# KiCad board GPS-Compass.kicad_pcb (continued)
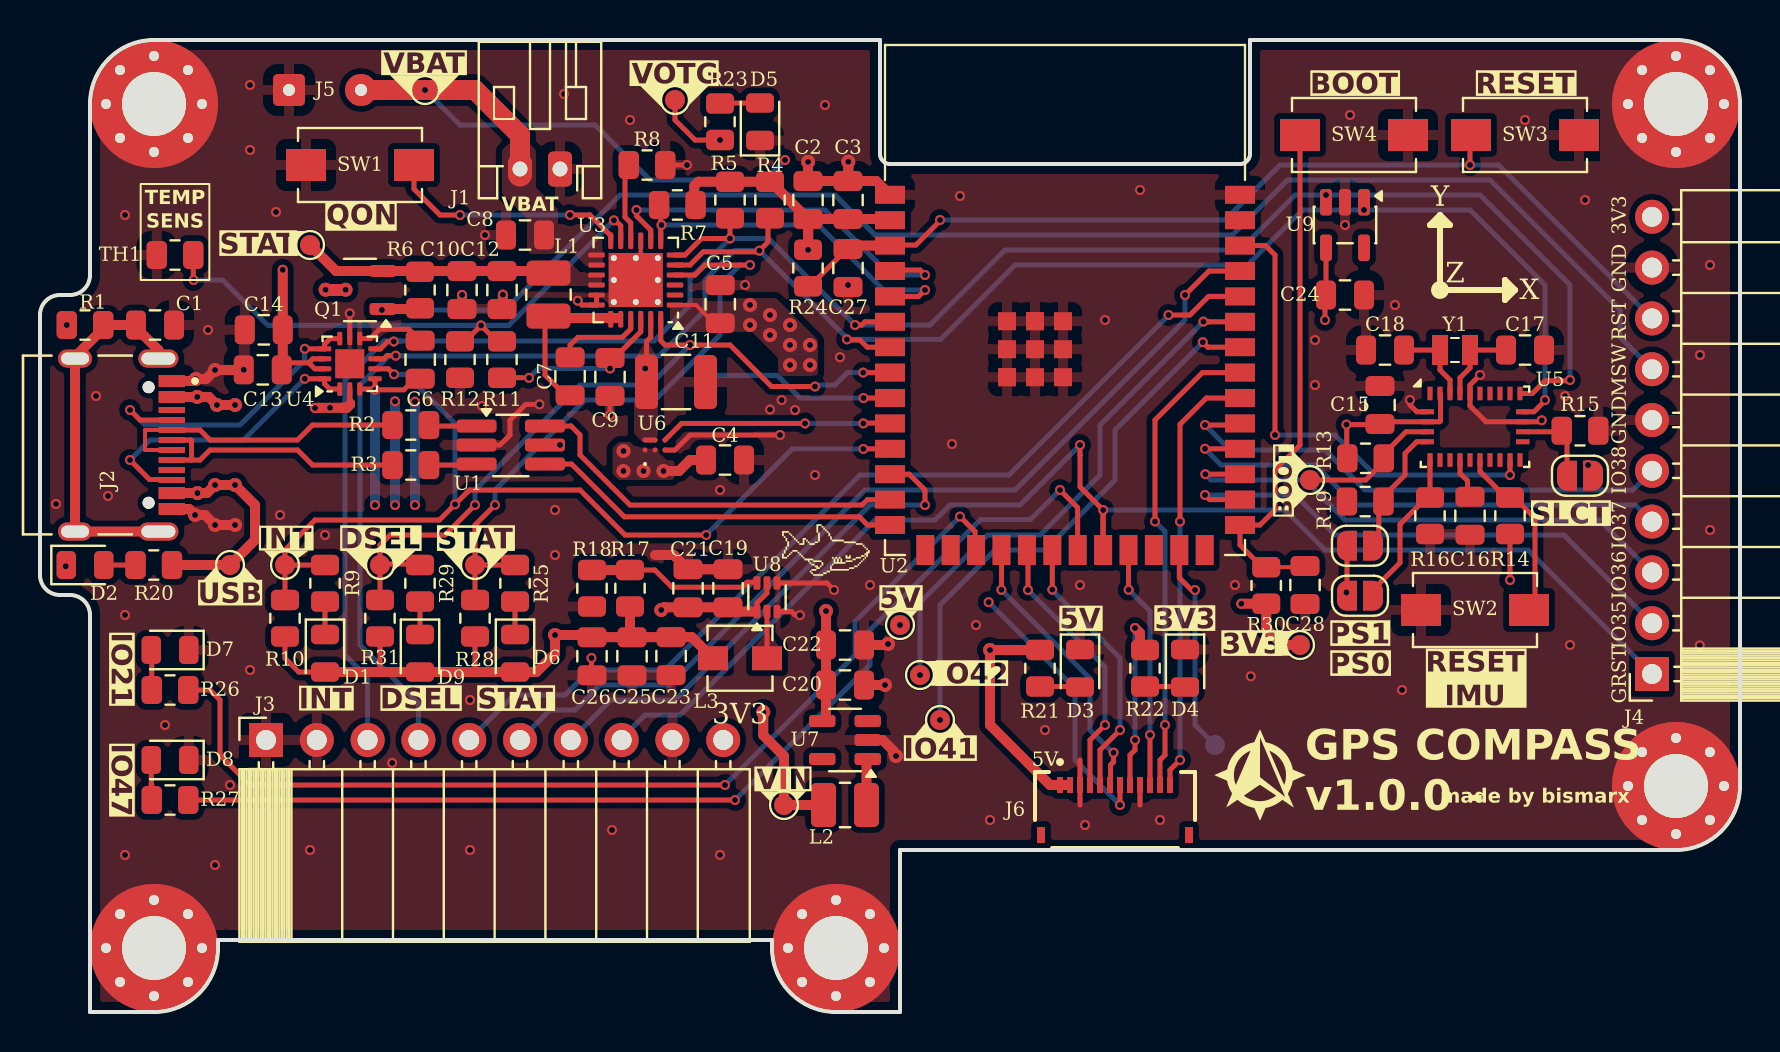
[diagram p0: board, top side]
## Footprints (pads in the part's own frame, mm; a bottom-side part is the same pattern mirrored in y, then rotated) (continued)
  rect 0.675x0.254 smd: 2(-2.388,0.75) 3(-2.388,0.25) 4(-2.388,-0.25) 5(-2.388,-0.75) 16(2.388,-0.75) 17(2.388,-0.25) 18(2.388,0.25) 19(2.388,0.75)
MountingHole_3.2mm_M3_Pad_Via
  round 0.8 hole 0.5: 1(-2.4,0) 1(-1.697,1.697) 1(-1.697,-1.697) 1(0,2.4) 1(0,-2.4) 1(1.697,1.697) 1(1.697,-1.697) 1(2.4,0)
  round 6.4 hole 3.2: 1(0,0)
PinSocket_1x10_P2.54mm_Horizontal
  rect 1.7x1.7 hole 1: 1(0,0)
  oval 1.7x1.7 hole 1: 2(0,-2.54) 3(0,-5.08) 4(0,-7.62) 5(0,-10.16) 6(0,-12.7) 7(0,-15.24) 8(0,-17.78) 9(0,-20.32) 10(0,-22.86)
R_0805_2012Metric
  rrect 1.025x1.4 smd: 1(-0.912,0) 2(0.912,0)
SolderJumper-2_P1.3mm_Open_RoundedPad1.0x1.5mm
  custom 1x1.5 smd: 1(-0.65,0) 2(0.65,0)
SolderWire-0.1sqmm_1x02_P3.6mm_D0.4mm_OD1mm
  rrect 1.6x1.6 hole 0.6: 1(0,0)
  round 1.6 hole 0.6: 2(3.6,0)
SOT-23-3
  rrect 1.325x0.6 smd: 1(-1.137,0.95) 2(-1.137,-0.95) 3(1.137,0)
SOT-23-5
  rrect 1.325x0.6 smd: 1(-1.137,0.95) 2(-1.137,0) 3(-1.137,-0.95) 4(1.137,-0.95) 5(1.137,0.95)
SOT-563
  rrect 0.675x0.35 smd: 1(-0.713,0.5) 2(-0.713,0) 3(-0.713,-0.5) 4(0.713,-0.5) 5(0.713,0) 6(0.713,0.5)
SW_SPST_EVQPE1
  rect 2x1.6 smd: 1(-2.7,0) 2(2.7,0)
TestPoint_Pad_D1.0mm
  round 1 smd: 1(0,0)
Texas_RTW_WQFN-24-1EP_4x4mm_P0.5mm_EP2.7x2.7mm_ThermalVias
  rrect 1.13x1.13 smd: (-0.675,0.675) (-0.675,-0.675) (0.675,0.675) (0.675,-0.675)
  rrect 0.825x0.25 smd: 1(-1.962,1.25) 2(-1.962,0.75) 3(-1.962,0.25) 4(-1.962,-0.25) 5(-1.962,-0.75) 6(-1.962,-1.25) 13(1.962,-1.25) 14(1.962,-0.75) 15(1.962,-0.25) 16(1.962,0.25) 17(1.962,0.75) 18(1.962,1.25)
  rrect 0.25x0.825 smd: 7(-1.25,-1.962) 8(-0.75,-1.962) 9(-0.25,-1.962) 10(0.25,-1.962) 11(0.75,-1.962) 12(1.25,-1.962) 19(1.25,1.962) 20(0.75,1.962) 21(0.25,1.962) 22(-0.25,1.962) 23(-0.75,1.962) 24(-1.25,1.962)
  round 0.5 hole 0.3: 25(-1.1,1.1) 25(-1.1,0) 25(-1.1,-1.1) 25(0,1.1) 25(0,-1.1) 25(1.1,1.1) 25(1.1,0) 25(1.1,-1.1)
  rect 2.7x2.7 smd: 25(0,0)
  rect 2.7x2.7 smd far side: 25(0,0)
TSOT-23-6_HandSoldering
  rrect 2x0.65 smd: 1(-1.71,0.95) 2(-1.71,0) 3(-1.71,-0.95) 4(1.71,-0.95) 5(1.71,0) 6(1.71,0.95)
WQFN-14-1EP_2.5x2.5mm_P0.5mm_EP1.45x1.45mm
  rrect 0.58x0.58 smd: (-0.36,0.36) (-0.36,-0.36) (0.36,0.36) (0.36,-0.36)
  rrect 0.675x0.25 smd: 1(-1.262,0.5) 2(-1.262,0) 3(-1.262,-0.5) 8(1.262,-0.5) 9(1.262,0) 10(1.262,0.5)
  rrect 0.25x0.675 smd: 4(-0.75,-1.262) 5(-0.25,-1.262) 6(0.25,-1.262) 7(0.75,-1.262) 11(0.75,1.262) 12(0.25,1.262) 13(-0.25,1.262) 14(-0.75,1.262)
  rect 1.45x1.45 smd: 15(0,0)

## Nets
+3V3: C2.1 C3.1 C6.1 C15.1 C23.1 C24.2 C25.1 C26.1 D1.2 D6.2 D9.2 J3.10 J4.10 J6.8 JP1.2 JP2.2 JP3.2 L3.2 R4.2 R5.2 R7.1 R10.2 R13.2 R14.2 R17.2 R22.1 R24.2 R28.2 R30.2 R31.2 TP12.1 U2.2 U4.3 U4.4 U5.3 U5.28 U9.4
+5V: C13.1 C14.1 C20.1 C22.1 J6.1 J6.2 R21.1 TP10.1 U4.12 U4.13 U7.4
GND: C1.2 C2.2 C3.2 C4.2 C5.2 C6.2 C8.2 C9.2 C10.2 C11.2 C12.2 C13.2 C14.2 C15.2 C16.2 C17.2 C18.2 C19.2 C20.2 C21.2 C22.2 C23.2 C24.1 C25.2 C26.2 C27.1 C28.1 D2.1 D3.1 D4.1 D5.1 D7.1 D8.1 H1.1 H2.1 H3.1 H4.1 H5.1 J1.1 J2.A1_B12 J2.B1_A12 J3.1 J3.2 J3.9 J4.6 J4.9 J5.1 J6.3 J6.9 R1.2 R8.2 R12.1 R15.1 R16.1 R18.1 R19.1 SW1.1 SW2.1 SW3.1 SW4.1 TH1.2 U1.2 U2.1 U2.40 U2.41 U3.9 U3.17 U3.18 U3.25 U4.8 U4.9 U4.15 U5.2 U5.18 U5.25 U6.C1 U7.2 U8.3 U8.4 U9.2
VBATT: C8.1 J1.2 J5.2 J6.7 TP4.1 U3.13 U3.14
VIN: C19.1 C21.1 L2.1 Q1.3 TP14.1 U8.1 U8.5
/BOOT: C28.2 R30.1 SW4.2 U2.27
/CC1: J2.A5 U4.10 U4.11
/CC2: J2.B5 U4.1 U4.14
/CLK_SPI: J6.5 U2.20
/CLK_SR: J6.11 U2.33
/D+: U1.4 U2.14
/D-: U1.6 U2.13
/DBNCD_0: J4.2 U2.28
/DBNCD_1: J4.3 U2.29
/DBNCD_2: J4.5 U2.31
/DN_IN: J2.A7 J2.B7 R2.1
/DP_IN: J2.A6 J2.B6 R3.1
/DSEL: R29.1 R31.1 TP9.1 U2.8 U3.24
/EN: C27.2 J4.8 R24.1 SW3.2 U2.3
/EN_LS: U2.10 U6.C2
/GNSS_RST: J3.8 J4.1 U2.22
/GNSS_RX: J3.6 U2.37
/GNSS_TX: J3.5 U2.36
/GNSS_WKP: J3.7 U2.12
/INT_CHRG: R7.2 U2.5 U3.7
/INT_IMU: U2.38 U5.14
/INT_UCON: R9.2 R10.1 TP13.1 U2.11 U4.5
/IO41: TP5.1 U2.34
/IO42: TP3.1 U2.35
/IO48: TP7.1 U2.25
/LATCH_SR: J6.10 U2.23
/LED_EXT: J4.4 U2.30
/LED_IO9: R26.1 U2.17
/LED_IO13: R27.1 U2.21
/MOSI_SPI: J6.4 U2.19
/MSW_ON: J4.7 Q1.1 R6.1
/OTG: U2.4 U3.8
/SCL: J3.4 R4.1 U2.7 U3.5 U4.6 U5.19 U9.1
/SDA: J3.3 R5.1 U2.6 U3.6 U4.7 U5.20 U9.3
/SI_SR: J6.12 U2.32
/STAT: R25.1 R28.1 TP11.1 U2.9 U3.4
/TS: R11.1 R12.2 TH1.1 U3.11
/~{CS}_SPI: J6.6 U2.18
REGN: C9.1 R11.2 U3.22
USB_VBUS: C4.1 C5.1 J2.A4_B9 J2.B4_A9 R20.1 TP6.1 U1.5 U3.1 U4.2 U6.A1 U6.B1
VOTG: C11.1 R23.1 TP8.1 U3.23 U6.A2 U6.B2
VSYS: C10.1 C12.1 L1.2 Q1.2 R6.2 TP2.1 U3.15 U3.16
Net-(C1-Pad1): C1.1 J2.S1 J2.S2 J2.S3 J2.S4 R1.1
Net-(C7-Pad1): C7.1 L1.1 U3.19 U3.20
Net-(D1-K): D1.1 R9.1
Net-(D2-A): D2.2 R20.2
Net-(D3-A): D3.2 R21.2
Net-(D4-A): D4.2 R22.2
Net-(D5-A): D5.2 R23.2
Net-(D6-K): D6.1 R25.2
Net-(D7-A): D7.2 R26.2
Net-(D8-A): D8.2 R27.2
Net-(D9-K): D9.1 R29.2
Net-(JP1-A): JP1.1 R15.2 U5.17
Net-(JP2-A): JP2.1 R16.2 U5.6
Net-(JP3-A): JP3.1 R19.2 U5.5
Net-(R2-Pad2): R2.2 U1.1
Net-(R3-Pad2): R3.2 U1.3
Net-(U3-BTST): C7.2 U3.21
Net-(U3-ILIM): R8.1 U3.10
Net-(U3-~{QON}): SW1.2 U3.12
Net-(U5-CAP): C16.1 U5.9
Net-(U5-XIN32): C18.1 U5.27 Y1.1
Net-(U5-XOUT32): C17.1 U5.26 Y1.2
Net-(U5-~{BOOT_LOAD_PIN}): R13.1 TP1.1 U5.4
Net-(U5-~{RESET}): R14.1 SW2.2 U5.11
Net-(U7-SW): L2.2 U7.1
Net-(U8-FB): R17.1 R18.2 U8.6
Net-(U8-SW): L3.1 U8.2

Pads without a net: J2 A8 B8; J6 S1 S2; U2 15 16 24 26 39; U3 2 3; U5 1 7 8 10 12 13 15 16 21 22 23 24; U7 3 5; U9 5

## Via types
v1: diameter 0.5, hole 0.3, Top to Bottom, 176 vias
v2: diameter 0.7, hole 0.3, Top to Bottom, 40 vias

## Routing (per net, layer and track width the routed paths; a pad name or vN(x,y) marks a point on that pad's centre or on a via; arc(x,y) is an arc through that point)
+3V3: length 214.6
  Top w0.25: J6.8 54.5,12.85 54.75,13.1 v1(54.75,13.6) ; v2(65.32,20.98) 65.34,21 65.34,21.15 65.35,21.16 JP3.2 ; v1(73.5,21.6) R14.2 ; v1(64.25,34.6) 64.25,35.8 ; 18.69,31.66 18.7,31.67 C6.1 18.92,31.58 18.66,31.58 18.19,31.11 v1(16.75,31.11) 16.75,31.17 U4.4 ; R10.2 12.25,17.69 12.94,17 D1.2 ; 65.34,27.56 65.34,29.39 65.35,29.4 ; v1(65.32,29.37) 66.97,29.37 ; U5.28 70.03,30.9 70.03,29.56 69.98,29.51 U5.3 67.11,29.51 ; C15.1 67,29.36 ; U4.3 16.75,31.15 ; R28.2 21.75,17 ; R31.2 17,17 ; C24.2 U9.4
  Top w0.5: R22.1 55,18.1 55,18.95 v1(54.75,19.2) ; R17.2 29.5,18.84 C25.1 ; v2(38.41,38.11) R24.2 ; v2(38.41,38.11) 38.41,39.65 42.44,39.65 U2.2 ; v2(38.41,38.11) 38.41,39.64 36.54,41.51 R5.2 32.91,41.51 32.71,41.31 32.71,40.35 ; TP12.1 62.13,18.35 61.31,19.16 R30.2 v1(60.06,20.41) ; D1.2 D9.2 D6.2 24.83,17 25.75,17.93 v2(25.75,18.85) 25.75,18.78 25.82,18.85 27.49,18.85 C26.1 ; 66.97,29.37 C15.1 ; L3.2 32.59,18.75 C23.1 27.44,18.75 ; 65.34,27.56 65.34,27.56
  In2.Cu w0.5: v2(65.32,20.98) 65.32,20.97 ; v2(65.32,20.98) 65.3,20.96 64.75,20.96 ; v2(65.32,20.98) 65.32,21.35 ; v2(65.32,20.98) 65.33,20.97 65.32,20.97 ; 65.32,20.97 65.33,20.96 65.75,20.96 ; 65.75,20.96 72.86,20.96 v1(73.5,21.6) 77.41,25.51 77.41,27.36 v1(77.41,27.35) 77.41,36.57 J4.10 ; 65.75,20.96 65.71,20.96 65.32,21.35 ; 38.45,38.15 v2(38.41,38.11) 60.74,38.11 v1(64.25,34.6) 65.32,33.53 v1(65.32,29.37) 65.32,21.35 65.32,21.35 ; 65.32,21.35 64.93,20.96 64.75,20.96 ; 64.75,20.96 60.61,20.96 v1(60.06,20.41) 58.85,19.2 v1(54.75,19.2) 51.6,19.2 46,13.6 J3.10 28.91,18.85 v2(25.75,18.85) 21.25,18.85 16.75,23.35 v1(16.75,25.35)
  Bottom w0.25: v1(54.75,19.2) v1(54.75,13.6)
  Bottom w0.5: v1(16.75,25.35) v1(16.75,31.11)
+5V: length 75.5
  Top w0.25: 13.44,32.46 13.64,32.66 U4.12 ; 13.44,32.46 12.44,32.46 C13.1 ; 13.44,32.46 13.74,32.16 U4.13
  Top w0.5: C13.1 12.14,32.16 C14.1 v1(12.14,37.11) ; 51.4,11.35 50.5,11.35 47.5,14.35 v2(47.5,18.1) R21.1 ; C22.1 39.3,14.74 ; C22.1 39.25,18.4 ; C22.1 v2(39.3,20.05)
  In2.Cu w0.5: v1(12.14,37.11) 12.15,37.1 17.75,37.1 19.5,35.35 19.5,31.29 18.75,30.54 v1(18.75,30.52) ; v1(18.75,25.35) 18.75,24.85 22.25,21.35 38,21.35 v2(39.3,20.05) 40,19.35 v1(43,19.35) 44.25,18.1 v2(47.5,18.1)
  Bottom w0.5: v1(18.75,25.35) v1(18.75,30.52)
GND: length 61.6
  Top w0.2: U3.9 30.04,36.85 U3.25
  Top w0.25: U4.8 16.51,33.67 16.97,34.14 18.44,34.14 C6.2 19.2,33.57 ; v1(37,28.85) 32.5,28.85 31.75,28.1 U6.C1 ; C10.2 21.15,35.1 ; 29.35,36.85 29.1,36.6 ; v1(39.7,21.1) 39.35,21.45 U8.4 ; v1(72,31.85) 71.5,31.35 U5.25 71.5,30.31 72.3,29.51 U5.18 75.01,29.51 v1(75.09,29.59) ; v1(15.49,34.93) U4.9 ; v1(24.97,30.38) 24.28,30.38 23.5,29.6 23.5,28.85 23,28.35 U1.2 21.42,28.35 21.4,28.33 ; 57.27,18.11 D4.1 ; 23.39,35.15 C12.2 ; 31.24,42.35 R8.2 v1(32.35,42.35) ; U8.3 37.58,20.03 37.75,19.85 37.99,19.85 v1(37.99,19.84) ; U3.17 U3.18 27.09,35.35 26.89,35.55 v1(26.89,35.57) ; C26.2 27.57,16.86 v1(27.57,17.7) ; v1(68.5,30.6) 68.5,30.35 68.84,30.01 U5.2 ; J6.9 55,10.35 ; 52,12.6 J6.3 52,10.35 ; v1(28.5,29.85) C9.2
  Top w0.5: v2(38.4,42.51) 38.4,42.4 38.4,42.4 C2.2 C3.2 40.41,41.56 v2(40.41,42.52) 40.41,41.55 41.81,41.55 U2.1 ; v2(7.79,31.65) 8.3,31.65 v2(8.75,32.1) 10.18,32.1 v2(10.19,32.11) ; v2(7.79,31.65) 7.79,31.6 ; v2(7.79,31.65) 7.75,31.65 7.65,31.55 J2.A1_B12 ; U7.2 42.13,13.6 42.65,13.08 42.65,12.95 v2(42.8,12.8) ; C12.2 23.14,35.19 v1(23.14,35.87) ; C19.2 C21.2 31.69,22.85 30.75,22.85 ; C22.2 42.35,18.35 v2(42.4,18.4) ; J2.B1_A12 7.45,25.15 v2(7.75,24.85) 8.25,24.85 v2(8.75,24.35) v2(9.75,24.35) ; C10.2 21.1,35.15 v1(21.1,35.86) ; v2(42.25,16.35) C20.2
  vias: v1(0.8,25.4) v1(1.29,22.29) v1(2.8,30.8) v1(3.4,25.8) v1(4.25,39.85) v1(4.25,19.85) v1(4.25,7.85) v1(6.25,14.35) v1(8.4,34.1) v1(8.75,7.35) v1(9.5,11.35) v1(10.5,46.35) v1(10.5,43.1) v1(10.5,17.1) v1(11.8,40) v1(12,24.85) v1(13.5,8.1) v1(14.25,23.85) v1(17.61,12.45) v1(21.5,15.6) v1(21.5,8.1) v1(22.1,30.3) v1(22.25,38.85) v1(25.75,25.1) v1(25.75,22.85) v1(26.2,45.9) v1(28.6,9.1) v1(29.5,44.6) v1(34,26.1) v1(34,7.85) v1(35.25,36.35) v1(36.5,30.12) v1(37.08,30.6) v1(37.75,30.1) v1(38.75,26.85) v1(39.25,45.35) v1(40,32.74) v1(40.4,36.35) v1(41.5,21.35) v1(45.6,28.4) v1(46,40.8) v1(46.8,19.35) v1(47.5,9.6) v1(50.25,14.1) v1(52,21.35) v1(52.25,9.35) v1(53.25,34.6) v1(55,41.1) v1(56,9.6) v1(59.75,21.35) v1(60.54,16.79) v1(63.75,33.6) v1(63.75,31.35) v1(65.25,39.35) v1(65.5,44.85) v1(67.75,35.35) v1(68.1,16.1) v1(74.25,44.6) v1(76.25,30.8) v1(76.5,18.35) v1(77.25,40.6) v1(83,32.85) v1(82.99,18.33) v1(83.5,37.35) v1(83.5,24.1) v2(1.34,34.35)
VBATT: length 72.3
  Top w0.25: v1(54,10.35) J6.7
  Top w1: J5.2 21.75,46.1 24,43.85 J1.2
  In2.Cu w0.25: v1(37.25,42.6) 37.25,37.35 39.3,35.3 41.5,35.3 47.4,29.4 47.4,20.53 v1(47.43,20.49)
  Bottom w0.25: v1(37.25,42.6) 36.25,41.6 30.5,41.6 27.75,44.35 21,44.35 v1(19.25,46.1) ; v1(47.43,20.49) 47.44,20.49 51.75,16.18 51.75,12.6 v1(54,10.35)
VIN: length 51.8
  Top w0.25: U8.1 35.85,20.45 35.85,20.45 36.35,20.95 U8.5
  Top w0.5: v2(31.06,20.1) 31.2,20.24 C21.1 C19.1 34.61,20.03 35.72,20.03 ; L2.1 TP14.1 37.2,12.8 36.16,13.84 v2(36.16,15) ; 14.5,36.1 Q1.3
  In2.Cu w0.5: v2(36.16,15) v2(31.06,20.1) 21.75,20.1 17.75,24.1 v1(17.75,25.35) ; v2(14.28,36.11) v2(15.28,36.11) 17.24,36.11 18.5,34.85 18.5,31.28 v1(17.75,30.53)
  Bottom w0.5: v1(17.75,25.35) v1(17.75,30.53)
/BOOT: length 26.1
  Top w0.2: C28.2 63.19,22.24 R30.1
  Top w0.25: U2.27 61,24.35 61.75,25.1 61.75,27.1 63,28.35 SW4.2 ; U2.27 60,23.35 61.11,22.24 R30.1 ; U2.27 60.05,24.4
/CC1: length 15.4
  Top w0.25: v1(13.24,33.16) U4.11 14.23,33.38 14.51,33.67 U4.10 ; v1(4.5,30.1) 5,29.6 J2.A5
  Bottom w0.25: v1(4.5,30.1) 5.25,29.35 10,29.35 13.24,32.59 v1(13.24,33.16)
/CC2: length 15.1
  Top w0.25: v1(4.5,27.6) 5.48,26.62 5.98,26.62 6,26.6 J2.B5 6.61,26.62 ; U4.1 14.49,31.15 14.23,31.42 U4.14 v1(13.24,31.66)
  Bottom w0.25: v1(13.24,31.66) 10.18,28.6 5.5,28.6 v1(4.5,27.6)
/CLK_SPI: length 13.6
  Top w0.25: J6.5 53,13.1 v1(54,14.1) ; 50.62,23.09 U2.20 v1(50.62,21.12)
  Bottom w0.25: v1(50.62,21.12) 50.62,21.09 54,17.7 v1(54,14.1)
/CLK_SR: length 23.8
  Top w0.25: J6.11 56,12.6 56.25,12.85 v1(56.25,14.35) ; U2.33 58.12,31.97 55.75,29.6 v1(55.75,24.53)
  Bottom w0.25: v1(55.75,24.53) 56.25,24.03 v1(56.25,14.35)
/D+: length 19.6
  Top w0.2: 25.62,27.35 25.67,27.4
  Top w0.25: U2.14 41.38,24.35 40.97,24.76 29.22,24.76 26.58,27.4 U1.4 25.58,27.4 25.59,27.38 26.22,27.38 26.23,27.4
/D-: length 19.6
  Top w0.25: U2.13 41.38,25.62 41.11,25.35 29.5,25.35 27,27.85 27,28.85 26.55,29.3 U1.6 25.25,29.35 25.25,29.35
/DBNCD_0: length 26.9
  Top w0.25: v1(58.25,25.85) 58.48,25.62 U2.28
  Bottom w0.25: J4.2 76.19,23.85 64.75,23.85 62.75,25.85 v1(58.25,25.85)
/DBNCD_1: length 26.1
  Top w0.25: v1(58.27,26.89) U2.29
  Bottom w0.25: J4.3 77.98,24.6 65.25,24.6 63.25,26.6 58.56,26.6 v1(58.27,26.89)
/DBNCD_2: length 25.9
  Top w0.25: v1(58.25,29.35) 59.92,29.35 U2.31
  Bottom w0.25: v1(58.25,29.35) 59.5,28.1 64.25,28.1 66.25,26.1 79.64,26.1 J4.5
/DN_IN: length 15.2
  Top w0.2: J2.A7 5.25,28.1 5.25,29.1 J2.B7
  Top w0.25: J2.B7 8,29.1 8.5,28.6 12.88,28.6 13.63,29.35 R2.1
/DP_IN: length 13.5
  Top w0.25: 7.58,27.62 7.6,27.6 8,27.6 8.5,28.1 12.88,28.1 13.63,27.35 R3.1 ; 7.58,27.62 7.58,28.58 7.55,28.6 J2.A6 ; 7.58,27.62 7.55,27.6 J2.B6
/DSEL: length 38.7
  Top w0.25: U2.8 v1(41.16,31.97) ; TP9.1 17,23.35 17.5,23.85 20.25,23.85 v1(21.75,25.35) ; v1(38.75,31.27) 36.58,31.27 34.5,33.35 v1(32.5,33.35) 31.25,33.35 31.04,33.56 U3.24 ; R31.1 17,22.4 18.95,22.4 R29.1
  Bottom w0.25: v1(32.5,33.35) 30.5,31.35 27,31.35 21.75,26.1 v1(21.75,25.35) ; v1(38.75,31.27) 38.83,31.35 39.75,31.35 40.37,31.97 v1(41.16,31.97)
/EN: length 49.4
  Top w0.25: v1(71.5,42.35) 71.5,43.85 ; R24.1 38.49,36.29 40.35,38.15 C27.2 ; U2.3 42.53,38.35 43.79,38.35 45,39.56 v1(45,39.6)
  Top w0.5: U2.3 40.57,38.32 C27.2
  Bottom w0.25: v1(45,39.6) 59.25,39.6 62,42.35 72.93,42.35 J4.8
/EN_LS: length 11.6
  Top w0.25: v1(41.17,29.43) 41.19,29.45 42.48,29.45 U2.10 ; U6.C2 32.08,29.43 v1(38.25,29.43)
  Bottom w0.25: v1(41.17,29.43) 41.08,29.43 41.08,29.43 v1(38.25,29.43)
/GNSS_RST: length 67.6
  Top w0.25: v1(53.16,25.1) 53.15,25.09 53.15,23.1 U2.22 53.16,25.1 v1(53.16,25.1) ; v1(53.16,25.1) 52,26.25 52,27.85 52,27.85 v1(52,28.35)
  Bottom w0.25: v1(52,28.35) 49,25.35 45.5,25.35 44.75,24.6 41.75,24.6 32,14.85 30.25,14.85 29.08,13.68 J3.8 ; J4.1 74.4,23.1 64.25,23.1 62.25,25.1 v1(53.16,25.1)
/GNSS_RX: length 46.4
  Top w0.25: v1(57.25,35.85) 58.45,37.05 U2.37
  Bottom w0.25: J3.6 25.5,15.1 26.75,15.1 28,16.35 31.5,16.35 41.25,26.1 48.75,26.1 57.25,34.6 v1(57.25,35.85)
/GNSS_TX: length 47.7
  Top w0.25: v1(56.43,34.85) 57.5,34.85 58.43,35.78 U2.36
  Bottom w0.25: J3.5 23.71,15.85 26.25,15.85 27.5,17.1 31.25,17.1 41,26.85 48.44,26.85 56.43,34.84 v1(56.43,34.85)
/GNSS_WKP: length 25.4
  Top w0.25: U2.12 43.46,26.89 44.25,26.1 v1(44.25,25.35)
  Bottom w0.25: J3.7 28.54,15.6 31.75,15.6 41.5,25.35 v1(44.25,25.35)
/INT_CHRG: length 18.6
  Top w0.25: v1(44.25,36.1) 43.93,35.78 U2.5 ; U3.7 31.04,39.31 v1(31.08,39.35) 31.04,39.39 31.04,40.2 30.89,40.35 31.19,40.35
  Bottom w0.25: v1(31.08,39.35) 38.93,39.35 42.18,36.1 v1(44.25,36.1)
/INT_IMU: length 24.3
  Top w0.25: U2.38 61.28,38.32 61.75,37.85 v1(61.75,28.85) ; U5.14 v1(73.5,26.85)
  Bottom w0.25: v1(73.5,26.85) 66.75,26.85 64.75,28.85 v1(61.75,28.85)
/INT_UCON: length 48.1
  Top w0.25: TP13.1 R9.2 14.5,22.35 ; TP13.1 12.25,23.1 13.75,24.6 19.97,24.6 v1(20.75,25.38) 21.47,26.1 27,26.1 29.25,23.85 v1(33.31,23.85) ; TP13.1 R10.1 ; v1(41.17,28.15) 41.18,28.16 U2.11 ; v1(17.7,31.89) 17.69,31.88 17.41,32.16 U4.5
  Bottom w0.25: v1(17.7,31.89) 18.28,31.89 20.75,29.41 v1(20.75,25.38) ; v1(33.31,23.85) 37.62,28.16 41.08,28.16 41.08,28.15 v1(41.17,28.15)
/IO41: length 27.8
  Top w0.25: U2.34 58.39,33.24 v1(58.14,33.49)
  Bottom w0.25: v1(45,14.6) 45,20.35 47.75,23.1 50.25,23.1 53.75,26.6 53.75,29.1 57.75,33.1 57.75,33.1 v1(58.14,33.49)
/IO42: length 26.9
  Top w0.25: v1(58.17,34.52) 58.42,34.52 58.43,34.51 U2.35
  Bottom w0.25: v1(58.17,34.52) 53,29.35 53,26.85 50,23.85 47.38,23.85 44,20.48 v1(44,16.85)
/IO48: length 10.6
  Top w0.25: v1(57.75,21.1) 57.58,21.1 56.97,21.71 U2.25
  Bottom w0.25: TP7.1 57.75,14.35 v1(57.75,21.1)
/LATCH_SR: length 12.2
  Top w0.25: v1(55.5,13.85) J6.10 ; v1(54.43,21.11) 54.43,21.12 U2.23
  Bottom w0.25: v1(55.5,13.85) 55.5,20.04 v1(54.43,21.11)
/LED_EXT: length 25.6
  Top w0.25: v1(58.25,28.16) U2.30
  Bottom w0.25: v1(58.25,28.16) 59.06,27.35 63.75,27.35 65.75,25.35 79.77,25.35 J4.4
/LED_IO9: length 50.7
  Top w0.25: R26.1 8.5,16.1 9,15.6 9,12.85 10.5,11.35 v1(34.25,11.35) ; 46.8,23.1 U2.17 46.75,23.16 46.75,24.02 v1(46,24.77)
  Bottom w0.25: v1(46,24.77) 40.75,19.52 40.75,17.85 v1(34.25,11.35)
/LED_IO13: length 54.4
  Top w0.25: v1(51,26.1) 51.88,25.22 51.88,23.1 U2.21 51.9,23.09 ; v1(34.75,10.6) R27.1
  Bottom w0.25: v1(51,26.1) 49.52,24.62 47.02,24.62 41.5,19.1 41.5,17.35 v1(34.75,10.6)
/MOSI_SPI: length 13.7
  Top w0.25: v1(49.4,21.1) 49.4,23.05 U2.19 49.35,23.1 ; v1(53.25,14.35) 52.5,13.6 J6.4
  Bottom w0.25: v1(49.4,21.1) 53.25,17.25 v1(53.25,14.35)
/MSW_ON: length 74.5
  Top w0.25: Q1.1 17.1,35.11 v1(17.1,35.1)
  Top w0.5: Q1.1 18.96,35.15 R6.1
  Bottom w0.25: v1(17.1,35.1) 23.25,35.1 29,40.85 39.75,40.85 41.75,38.85 59.63,38.85 62.38,41.6 72.5,41.6 79,35.1 79,33.74 J4.7
/OTG: length 19.5
  Top w0.25: U2.4 42.55,37.1 44,37.1 v1(44.25,36.85) ; v1(29.83,40.1) 29.83,39.81 30.54,39.09 U3.8
  Bottom w0.25: v1(29.83,40.1) 39.25,40.1 42.5,36.85 v1(44.25,36.85)
/SCL: length 105.2
  Top w0.25: 36.4,39.69 36.4,38.5 v1(35.97,38.07) 35.9,38.07 35.84,38.01 33.16,38.01 32.5,37.35 U3.5 ; v1(75.25,30.6) 75.25,30.56 74.7,30.01 U5.19 ; v1(40.35,33.63) 40.38,33.6 41,33.6 41.36,33.24 U2.7 ; v1(17.79,32.82) 17.78,32.82 17.35,32.82 17.19,32.66 U4.6 ; v1(66.2,40.1) U9.1
  Bottom w0.25: J3.4 18.92,15.43 16,18.35 16,31.35 17.46,32.81 18.09,32.81 18.1,32.81 18.1,32.81 30.96,32.81 33.25,35.1 33.25,36.6 34.72,38.07 v1(35.97,38.07) 40.29,33.75 40.29,33.69 v1(40.35,33.63) 45.03,33.63 48.75,37.35 60.38,37.35 63.13,40.1 71.5,40.1 75.25,36.35 v1(75.25,30.6)
/SDA: length 104.7
  Top w0.25: v1(64.3,40.85) U9.3 ; U3.6 32.25,37.85 33.08,38.68 v1(34.5,38.68) R5.1 ; v1(17.69,33.53) 17.39,33.53 17.02,33.16 U4.7 ; U5.20 74.61,30.93 75.25,31.56 76.46,31.56 v1(76.5,31.6) ; v1(40.75,34.35) 41.09,34.35 41.25,34.51 U2.6
  Bottom w0.25: J3.3 16.38,16.72 15.25,17.85 15.25,31.6 17.2,33.55 17.97,33.55 18,33.52 18.04,33.55 30.7,33.55 32.5,35.35 32.5,36.68 v1(34.5,38.68) 36.43,38.68 v1(40.75,34.35) 44.5,34.35 48.25,38.1 60,38.1 62.75,40.85 72,40.85 76.5,36.35 v1(76.5,31.6)
/SI_SR: length 21.9
  Top w0.25: v1(57,24.53) 57,29.38 58.32,30.7 U2.32 59.9,30.6 ; J6.12 56.5,12.1 v1(57,12.6)
  Bottom w0.25: v1(57,24.53) v1(57,12.6)
/STAT: length 41.2
  Top w0.25: U2.9 v1(41.18,30.7) ; v1(22.75,25.35) 21.75,24.35 TP11.1 ; U3.4 32.75,36.85 33.25,37.35 v1(35.5,37.35) ; R25.1 TP11.1 ; TP11.1 R28.1
  Bottom w0.25: v1(41.18,30.7) 38,30.7 36.87,31.83 33.77,31.83 32.88,32.73 ; v1(35.5,37.35) 35,37.35 34,36.35 34,33.85 30.75,30.6 27.25,30.6 22.75,26.1 v1(22.75,25.35)
/TS: length 29.4
  Top w0.25: R11.1 22.85,33.53 v1(22.05,34.33) ; v1(22.05,34.33) 21.26,33.53 R12.2 ; v1(22.05,34.33) 22.06,34.32 ; v1(7.68,36.6) 7.66,36.62 TH1.1 ; U3.11 29.04,39.31 28.77,39.58 v1(28.7,39.58) ; 22.94,33.54 22.94,33.54
  Bottom w0.25: v1(7.68,36.6) 9.13,36.6 11.39,34.34 23.45,34.34 v1(28.7,39.58)
/~{CS}_SPI: length 14.2
  Top w0.25: v1(48.07,21.11) 48.08,21.11 U2.18 48.1,23.08 ; J6.6 53.52,11.37 53.52,12.35 53.68,12.5 v1(53.68,12.97)
  Bottom w0.25: v1(48.07,21.11) 52.5,16.68 52.5,14.1 53.53,13.07 53.58,13.07 v1(53.68,12.97)
REGN: length 8.5
  Top w0.25: 23.03,31.8 22.94,31.72 24.14,31.72 ; 28.25,32.7 C9.1 28.72,32.7 30.04,34.01 U3.22 ; 24.45,31.71 v1(24.45,31.71)
  Bottom w0.25: v1(24.45,31.71) 24.92,32.18 v1(28.5,32.18)
USB_VBUS: length 23.6
  Top w0.2: U3.1 32.8,35.35 33.5,34.65
  Top w0.25: 15.49,30.61 U4.2 15.49,30.61 ; 15.49,30.61 15.49,30.37 ; 15.49,30.61 15.49,30.36 ; 15.49,30.61 15.62,30.47 15.62,30.32 15.61,30.3
  Top w0.5: v1(26,28.35) 25.25,28.35 U1.5 ; 15.34,30.21 15.49,30.36 ; 15.34,30.21 13.89,30.21 13.89,30.2 v1(13.75,30.2) ; 15.34,30.21 15.09,30.21 ; v2(9.75,30.35) v2(8.85,30.35) 8.44,30.75 v2(7.86,30.75) 7.86,30.75 J2.A4_B9 ; v2(31.18,27.05) 31.95,27.05 32.5,27.6 C4.1 ; J2.B4_A9 7.87,25.95 v2(7.87,25.95) 8.35,25.95 v2(8.75,26.35) v2(9.75,26.35) 10.75,25.35 10.75,23.6 TP6.1 R20.1
  Bottom w0.5: 7.86,25.96 v2(7.87,25.95)
  vias: v1(14.5,30.21) v2(29.18,28.05) v2(29.18,27.05) v2(30.18,27.05) v2(35.5,35.35) v2(35.5,34.35) v2(36.5,34.85) v2(36.5,33.85) v2(37.5,34.35) v2(37.5,33.35) v2(37.5,32.35) v2(38.5,33.35) v2(38.5,32.35)
VOTG: length 19.6
  Top w0.25: U3.23 30.54,33.74 30.33,33.53 30.33,32.3 ; TP8.1 31.75,44.6 32.75,43.6 v1(34,43.6) ; U6.B2 U6.A2
  In2.Cu w0.25: v1(34,43.6) 34,40.6 31.75,38.35 31.75,34.98 30.26,33.48 v1(30.26,32.18)
VSYS: length 12.4
  Top w0.5: 25.3,37.05 Q1.2 14.8,37.05 TP2.1 ; 13.42,38.3 13.37,38.35
Net-(C1-Pad1): length 18.9
  Top w0.5: J2.S2 J2.S4 J2.S3 1.75,32.76 3.16,34.18 R1.1 C1.1 4.8,34.22 5.92,33.1 J2.S1
Net-(C7-Pad1): length 8.1
  Top w0.25: 26,34.7 25.35,34.7 25.25,34.6 25.25,31.85 26.27,30.83 C7.1
  Top w0.5: 26,34.7 28.9,34.7
Net-(D1-K): length 1.7
  Top w0.25: 14.25,19.1 14.25,20.75
Net-(D2-A): length 1.6
  Top w0.25: R20.2 D2.2
Net-(D3-A): length 2
  Top w0.25: 51.5,16.25 51.48,16.28 49.5,16.28
Net-(D4-A): length 2
  Top w0.25: D4.2 57.23,16.28 R22.2 55.23,16.25
Net-(D5-A): length 2
  Top w0.25: R23.2 34.03,45.45 D5.2
Net-(D6-K): length 1.6
  Top w0.25: 23.75,20.53 D6.1
Net-(D7-A): length 2
  Top w0.25: 5.56,16.1 5.59,16.13 5.59,18.1
Net-(D8-A): length 2
  Top w0.25: 5.59,11.38 5.56,11.35 ; 5.56,11.38 5.59,11.35 ; D8.2 5.56,10.63
Net-(D9-K): length 1.6
  Top w0.25: D9.1 19,20.53
Net-(JP1-A): length 4.1
  Top w0.2: 76.1,28.8 75.84,29.06
  Top w0.25: JP1.1 76.35,28.8 ; 75.79,29.01 75.84,29.06 ; 74.39,29.01 76.04,29.01
Net-(JP2-A): length 8
  Top w0.25: 69.5,25.81 U5.6 ; JP2.1 66.65,21.11 68,22.46 68,24.39 69.34,25.73 R16.2
Net-(JP3-A): length 7
  Top w0.25: U5.5 68.84,28.51 68.25,27.93 68.25,26.85 67.16,25.76 67.16,25.56 ; 67.16,25.56 66.94,25.34 66.94,23.6 JP3.1 66.9,23.31 ; 67.16,25.56 67.25,25.56
Net-(R2-Pad2): length 3.2
  Top w0.2: 21.08,29.3 U1.1 ; 21.87,29.35 21.92,29.3
  Top w0.25: U1.1 19.5,29.3 R2.2
Net-(R3-Pad2): length 2.4
  Top w0.25: U1.3 21.78,27.35 R3.2
Net-(U3-BTST): length 4.6
  Top w0.25: 26.62,32.85 C7.2 26.5,33.34 26.89,33.73 29.12,33.73 29.54,34.15 U3.21
Net-(U3-ILIM): length 4
  Top w0.25: U3.10 29.54,39.46 29.25,39.74 29.25,42.16 R8.1
Net-(U3-~{QON}): length 12.3
  Top w0.25: v1(26.5,39.85) 27.5,39.85 28.54,38.81 U3.12 ; SW1.2 18.7,41.15 20,39.85 v1(21,39.85)
  Bottom w0.25: v1(21,39.85) v1(26.5,39.85)
Net-(U5-CAP): length 2
  Top w0.25: U5.9 71,26.94 71.38,26.56 71.38,25.98 71.5,25.85
Net-(U5-XIN32): length 4.4
  Top w0.25: C18.1 Y1.1 ; 70,33.35 70,32.1 70.5,31.6 U5.27
Net-(U5-XOUT32): length 4.4
  Top w0.25: U5.26 71,31.71 71.5,32.21 71.5,33.35 ; C17.1 Y1.2
Net-(U5-~{BOOT_LOAD_PIN}): length 7.3
  Top w0.25: 67.25,27.56 67.16,27.56 67.16,27.87 68.3,29.01 U5.4 ; R13.1 67.2,27.68 67.2,27.52 66.28,26.6 TP1.1
Net-(U5-~{RESET}): length 9
  Top w0.25: U5.11 72,27.03 72.94,26.09 73.14,26.09 R14.1 73.71,25.73 74.75,24.68 74.75,20.4 SW2.2
Net-(U7-SW): length 2.3
  Top w0.5: U7.1 41.33,12.59 L2.2
Net-(U8-FB): length 8.7
  Top w0.25: R17.1 30.74,22.1 31.6,21.24 35.1,21.24 35.35,21.49 35.81,21.49 U8.6
  Top w0.5: R17.1 R18.2
Net-(U8-SW): length 2.3
  Top w0.25: U8.2 L3.1

## Copper pours and planes (outline as drawn; the poured copper is in the pictures)
GND on Top, Bottom, In1.Cu, In2.Cu: 85,48.85 78,48.85 78,41.6 85,41.6
GND on Top, Bottom, In1.Cu, In2.Cu: 9.25,7.1 2.5,7.1 2.5,0.1 9.25,0.1
GND on Top, Bottom, In1.Cu, In2.Cu: 9.5,48.6 2.5,48.6 2.5,41.6 9.5,41.6
GND on Top, Bottom, In1.Cu, In2.Cu: 85.25,48.85 85.25,7.85 43.25,7.85 43.5,-0.15 2.25,-0.15 2.25,19.85 -0.25,19.85 -0.25,36.85 2.25,36.85 2.25,48.85
GND on Top, Bottom, In1.Cu, In2.Cu: 84.75,15.1 78,15.1 78,8.1 84.75,8.1
GND on Top, Bottom, In1.Cu, In2.Cu: 43,7.1 36.25,7.1 36.25,-0.15 43,-0.15
VBATT on Top: 25.9,40.13 24.8,41.23 24.8,43.1 24.5,43.4 23.4,43.4 23.1,43.1 23.1,40.93 24.35,39.68 24.35,38.1 24.55,37.9 25.9,37.9
VBATT on Top: 28.2,37.3 27.3,37.3 26.7,37.9 24.55,37.9 24.35,38.1 24.35,39.2 24.55,39.4 27.35,39.4 28.2,38.55
USB_VBUS on Top: 34.7,35.7 34.7,34 32.1,34 31.5,34.6 31.5,35.7
USB_VBUS on Top: 34.7,35.7 36.8,35.7 38.9,33.6 38.9,31.9 38.8,31.8 37.1,31.8 36.9,32 36.9,32.7 35.6,34 34.7,34
USB_VBUS on Top: 28.63,28.2 28.93,28.5 29.53,28.5 29.73,28.3 31.03,28.3 31.13,28.2 31.13,27.8 31.33,27.6 31.63,27.6 31.73,27.5 31.73,26.7 31.63,26.6 28.93,26.6 28.63,26.9
USB_VBUS on In2.Cu: 8.15,30.6 29.15,30.6 34.25,35.7 36.5,35.7 38.65,33.55 38.65,31.8 32.65,25.8 8.15,25.8
USB_VBUS on In2.Cu: 8.25,30.85 7.75,31.35 6.75,31.35 6.75,25.35 7.75,25.35 8.25,25.85
VOTG on Top: 29.72,30.62 30.9,30.62 30.9,28.46 30.15,28.46 29.7,28.91 29.7,30.6
VSYS on Top: 28.1,37 27,37 26.4,37.6 25.5,37.6 25.3,37.4 25.3,36.5 25.5,36.3 28.1,36.3

Small or netless copper shapes (teardrops, artwork), in the pictures only: 2 on Top

## Text on the board
F.Silkscreen: 5V | 3V3 | GND | RST | MSW | IO38 | IO37 | IO36 | IO35 | GRST | TEMP / SENS | VBAT | BOOT | Y | Z | X | USB | STAT | INT | QON | DSEL | VOTG | VIN | IO41 | IO42 | PS1 | PS0 | RESET / IMU | RESET | SLCT | IO21 | IO47 | GPS COMPASS / v1.0.0 - | made by bismarx
